# KiCad board Frooastboard Walnut.kicad_pcb (continued)
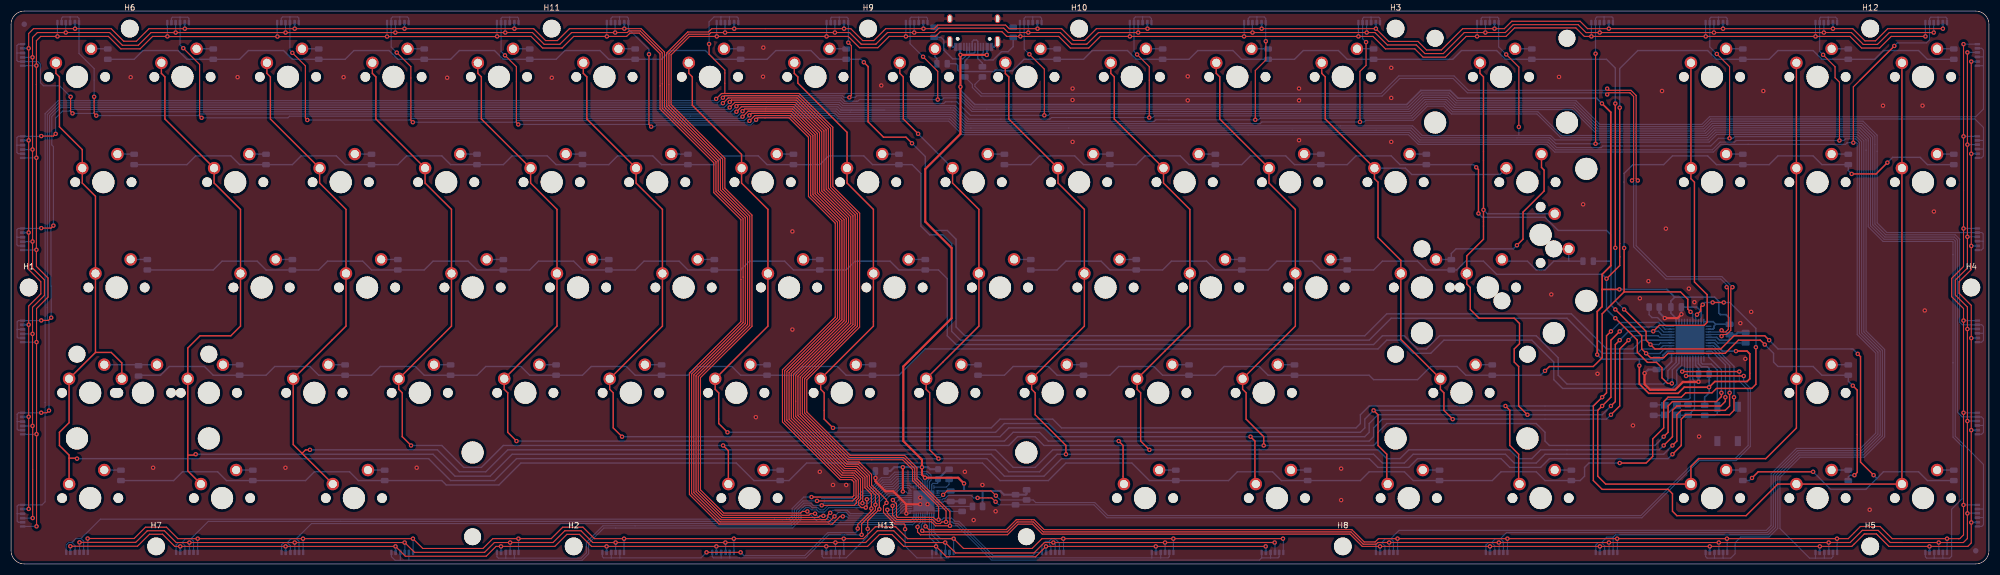
[diagram p0: board, top side]
## Nets (continued)
Net-(D6-Pad2): D6.2 KEY_8.2
Net-(D7-Pad2): D7.2 KEY_I1.2
Net-(D8-Pad2): D8.2 KEY_K1.2
Net-(D9-Pad2): D9.2 KEY_M1.2
Net-(D10-Pad2): D10.2 KEY_1.2
Net-(D11-Pad2): D11.2 KEY_Q1.2
Net-(D12-Pad2): D12.2 KEY_A1.2
Net-(D13-Pad2): D13.2 KEY_\1.2
Net-(D14-Pad2): D14.2 KEY_LGUI1.2
Net-(D15-Pad2): D15.2 KEY_9.2
Net-(D16-Pad2): D16.2 KEY_O1.2
Net-(D17-Pad2): D17.2 KEY_L1.2
Net-(D18-Pad2): D18.2 KEY_,1.2
Net-(D19-Pad2): D19.2 KEY_2.2
Net-(D20-Pad2): D20.2 KEY_W1.2
Net-(D21-Pad2): D21.2 KEY_S1.2
Net-(D22-Pad2): D22.2 KEY_Y1.2
Net-(D23-Pad2): D23.2 KEY_LALT1.2
Net-(D24-Pad2): D24.2 KEY_0.2
Net-(D25-Pad2): D25.2 KEY_P1.2
Net-(D26-Pad2): D26.2 KEY_;1.2
Net-(D27-Pad2): D27.2 KEY_.1.2
Net-(D28-Pad2): D28.2 KEY_3.2
Net-(D29-Pad2): D29.2 KEY_E1.2
Net-(D30-Pad2): D30.2 KEY_D1.2
Net-(D31-Pad2): D31.2 KEY_X1.2
Net-(D32-Pad2): D32.2 KEY_SPACE1.2
Net-(D33-Pad2): D33.2 KEY_-1.2
Net-(D34-Pad2): D34.2 KEY_[1.2
Net-(D35-Pad2): D35.2 KEY_'1.2
Net-(D36-Pad2): D36.2 KEY_/1.2
Net-(D37-Pad2): D37.2 KEY_4.2
Net-(D38-Pad2): D38.2 KEY_R1.2
Net-(D39-Pad2): D39.2 KEY_F1.2
Net-(D40-Pad2): D40.2 KEY_C1.2
Net-(D41-Pad2): D41.2 KEY_RALT1.2
Net-(D42-Pad2): D42.2 KEY_=1.2
Net-(D43-Pad2): D43.2 KEY_]1.2
Net-(D44-Pad2): D44.2 KEY_#1.2 KEY_#2.2
Net-(D45-Pad2): D45.2 KEY_RSHIFT1.2
Net-(D46-Pad2): D46.2 KEY_5.2
Net-(D47-Pad2): D47.2 KEY_T1.2
Net-(D48-Pad2): D48.2 KEY_G1.2
Net-(D49-Pad2): D49.2 KEY_V1.2
Net-(D50-Pad2): D50.2 KEY_FN1.2
Net-(D51-Pad2): D51.2 KEY_BACKSPACE1.2
Net-(D52-Pad2): D52.2 KEY_ENTER1.2 KEY_ENTER2.2
Net-(D53-Pad2): D53.2 KEY_INSERT1.2
Net-(D54-Pad2): D54.2 KEY_DELETE1.2
Net-(D55-Pad2): D55.2 KEY_6.2
Net-(D56-Pad2): D56.2 KEY_Z1.2
Net-(D57-Pad2): D57.2 KEY_H1.2
Net-(D58-Pad2): D58.2 KEY_B1.2
Net-(D59-Pad2): D59.2 KEY_MENU1.2
Net-(D60-Pad2): D60.2 KEY_LEFT1.2
Net-(D61-Pad2): D61.2 KEY_UP1.2
Net-(D62-Pad2): D62.2 KEY_HOME1.2
Net-(D63-Pad2): D63.2 KEY_END1.2
Net-(D64-Pad2): D64.2 KEY_7.2
Net-(D65-Pad2): D65.2 KEY_U1.2
Net-(D66-Pad2): D66.2 KEY_J1.2
Net-(D67-Pad2): D67.2 KEY_N1.2
Net-(D68-Pad2): D68.2 KEY_RCTRL1.2
Net-(D69-Pad2): D69.2 KEY_RIGHT1.2
Net-(D70-Pad2): D70.2 KEY_DOWN1.2
Net-(D71-Pad2): D71.2 KEY_PAGEUP1.2
Net-(D72-Pad2): D72.2 KEY_PAGEDOWN1.2
Net-(R3-Pad1): R3.1 USB1.10
Net-(R4-Pad1): R4.1 USB1.4
Net-(R5-Pad2): R5.2 USB1.5 USB1.7
Net-(R6-Pad2): R6.2 USB1.6 USB1.8

Pads without a net: SW1 3 4; U1 1 12 36 37 38 39 42 45; U2 33 37; USB1 3 9

## Via types
v1: diameter 0.8, hole 0.4, Top to Bottom, 398 vias

## Routing (per net, layer and track width the routed paths; a pad name or vN(x,y) marks a point on that pad's centre or on a via; arc(x,y) is an arc through that point)
+5V: length 411.3
  Top w0.2: v1(161.04,13.1) 161.05,13.11
  Top w0.3: v1(286.45,37.86) 286.45,45.66 287.34,46.55 287.34,49.65 ; 287.34,49.65 287.35,49.66 v1(290.45,49.66) ; 287.34,49.65 287.34,52.39 288.9,53.95 288.9,81.7 v1(287.3,83.3) ; v1(294.05,35.86) 294.05,32.56 295.75,30.86 301.05,30.86 302.15,31.96 v1(306.65,31.96) 307.69,33 313.5,33 314,33.5 314,38 313.5,38.5 v1(311.5,38.5)
  Top w0.381: v1(176.21,92.08) 176.2,92.09 v1(171.45,92.09) v1(171.45,86.3) 171.45,77.79 165.1,71.44 165.1,61.91 169.86,57.15 169.86,44.45 161.13,35.72 161.13,22.22 164.5,18.86 v1(164.5,17.5) 164.5,16.15 v1(165.05,15.6) 171.05,15.6 v1(172.1,14.55) ; v1(161.04,13.1) 161.05,13.11 v1(161.05,17.5)
  Bottom w0.2: U2.32 U2.31 C8.1 ; U2.26 165.05,13.89 v1(165.05,15.6) ; v1(161.04,13.1) 161.58,13.1 161.88,12.8 U2.19
  Bottom w0.3: v1(294.05,35.86) 294.05,37.06 ; 294.05,37.06 287.25,37.06 v1(286.45,37.86) ; 294.05,37.06 C6.1 298.15,37.06 298.35,37.26 298.35,37.76 299.07,38.48 U1.24 ; 307.85,43.36 C7.1 310.35,44.45 309.7,45.1 308.7,45.1 308.4,45.4 308.4,47.5 307.64,48.26 300.45,48.26 ; 307.85,43.36 307.55,43.06 307.55,42.66 307.37,42.48 U1.2 ; 307.85,43.36 307.39,43.82 U1.44 ; 308.53,39.03 309.06,38.5 ; 308.53,39.03 309.06,38.5 ; 308.53,39.03 307.58,39.98 U1.7 ; 309.06,38.5 v1(311.5,38.5) ; 300.45,48.26 299.05,49.66 v1(290.45,49.66) ; 300.45,48.26 299.75,47.56 C5.1 299.75,45.36 300.71,44.4 U1.34 ; v1(171.45,86.3) 171.45,85.69 174.04,83.1 252.05,83.1 254.6,85.65 259.9,85.65 261.31,84.24 286.36,84.24 v1(287.3,83.3) ; U1.14 304.71,36.23 305.28,35.66 306.35,35.66 306.65,35.36 C4.1 v1(306.65,31.96) 306.65,30.96 305.85,30.16 R1.2
  Bottom w0.381: C10.1 158.8,16.8 159.5,17.5 v1(164.5,17.5) 165.6,17.5 165.96,17.14 C9.1 ; v1(176.21,92.08) 176.28,92.14 USB1.11 ; USB1.2 171.38,92.16 v1(171.45,92.09) ; R10.1 183.4,12.7 183.22,12.53 R11.1 179.32,12.53 178.65,13.2 175.45,13.2 ; 172.1,13.2 C8.1 ; 172.1,13.2 175.45,13.2 ; 172.1,13.2 v1(172.1,14.55) ; 175.45,13.2 R9.2
GND: length 96.3
  Top w0.38: 178.36,98.42 USB1.13
  Top w0.381: v1(164.2,10.8) 161.65,10.8 ; 161.65,10.8 159.3,13.15 157.9,13.15 156.1,14.95 v1(156.1,15.55) ; 161.65,10.8 161.65,9.15 v1(161.68,9.12) ; v1(295,34.5) 295,32.5 296,31.5 300.5,31.5 301.92,32.92 304.74,32.92 v1(304.74,32.95) ; v1(301.65,45.16) 300.95,44.46 v1(298.65,44.46)
  Bottom w0.2: v1(161.68,9.12) 162.27,9.12 162.36,9.21 U2.11 163.05,9.6 U2.41 ; U2.41 166.65,9.6 U2.40 ; U2.41 164.85,10.45 165.45,9.85 U2.4 ; U2.41 165.05,11.2 U2.36 168.35,11.2 168.45,11.3 C8.2 ; U2.41 165.1,11.4 166.25,12.55 U2.29 166.25,14.37 166.46,14.57 167.27,14.57 167.4,14.7 C9.2
  Bottom w0.3: Y1.4 298.95,26.97 300.65,28.67 Y1.2 302.75,28.67 C3.2 ; C7.2 310.35,40.66 310.14,40.46 308.54,40.46 308.02,40.98 U1.5 ; C4.2 304.75,35.36 304.21,35.9 U1.15 ; C5.2 304.44,46.46 305.21,45.69 U1.43 ; v1(301.65,45.16) 301.21,44.72 U1.35 ; C2.2 298.55,26.88 ; C6.2 298.45,35.16 299.88,36.59 U1.23 ; 304.01,47.34 v1(304,47.35)
  Bottom w0.38: 298.85,26.97 Y1.4
  Bottom w0.381: R7.2 169.16,17.12 C9.2 ; v1(298.65,44.46) 297.65,45.46 R2.2 ; USB1.1 170.06,93.54 169.51,94.09 USB1.13 ; C8.2 169.72,11.33 R8.2 ; C4.2 304.74,34.35 v1(304.74,32.95) ; v1(156.1,15.55) C10.2 ; C6.2 295.66,35.16 v1(295,34.5) ; C1.1 311.86,41.86 311.46,41.46 C7.2 ; USB1.13 178.15,94.2 177.49,93.54 USB1.12 ; C5.2 v1(301.65,45.16)
  vias: v1(21.6,88.05) v1(25.65,17.4) v1(40.9,88.05) v1(49.55,17.4) v1(60.05,88.05) v1(73.25,17.4) v1(78.75,87.95) v1(97.65,87.95) v1(134.5,26.55) v1(135.8,88.15) v1(135.85,93.4) v1(141.1,60.15) v1(141.1,42.4) v1(146.05,16.67) v1(148.43,14.29) v1(150.81,14.29) v1(157.15,86.55) v1(164.2,12) v1(165.5,10.8) v1(172.24,16.67) v1(173.83,7.94) v1(175.42,14.29) v1(177.8,9.53) v1(191.7,86) v1(191.7,83.93) v1(191.7,76.35) v1(212.5,88.2) v1(212.5,83.85) v1(232.6,86) v1(232.6,83.85) v1(232.6,76.65) v1(240.2,17.25) v1(240.2,11.55) v1(249.25,89.75) v1(249.25,84.3) v1(249.25,76.35) v1(278.15,48.75) v1(279.55,88.1) v1(283.9,65.05) v1(286.5,34.4) v1(292.9,25.05) v1(294.15,48.05) v1(295.7,51.15) v1(298.15,85.55) v1(298.85,60.65) v1(303,49.8) v1(304.85,23.05) v1(312.3,43.55) v1(313.2,37.1) v1(314.25,45.6) v1(316.45,85.55) v1(335.65,9.8) v1(338.05,82.9) v1(345.2,82.9) v1(345.6,45.85) v1(347.25,63.75)
COL0: length 503.1
  Top w0.25: 15.24,38.26 18.1,38.26 20,36.35 KEY_LSHIFT2.1 ; 15.24,38.26 KEY_LSHIFT1.1 10.48,25.56 8.73,23.81 8.73,21.43 10.48,19.69 10.48,19.14 ; 15.24,38.26 KEY_CAPS1.1 15.24,66.52 12.86,68.9 KEY_TAB1.1 12.86,74.94 8.73,79.07 8.73,88.11 8.1,88.74 KEY_ESC1.1 ; v1(163.81,77.81) 161.13,80.49 161.13,88.11 160.5,88.74 KEY_8.1 ; 10.48,19.14 11.82,19.14 v1(11.91,19.05) ; 10.48,19.14 KEY_LCTRL1.1 ; v1(311.15,30.16) 311.15,27.78 310.36,26.99 302.42,26.99 301.62,26.19 301.62,21.43 v1(300.04,19.84) ; KEY_I1.1 170.02,68.9 174.78,64.13 KEY_K1.1 174.78,43.02 KEY_M1.1 165.26,31.59 165.89,30.96 165.89,20.64 v1(167.48,19.05)
  Bottom w0.25: v1(311.15,30.16) 311.15,35.74 307.41,39.48 U1.8 ; KEY_I1.1 v1(163.81,77.81) ; v1(11.91,19.05) 75.41,19.05 79.38,15.08 87.31,15.08 91.28,19.05 176.21,19.05 179.39,15.88 186.53,15.88 189.71,19.05 245.27,19.05 246.86,17.46 252.41,17.46 254,19.05 269.08,19.05 270.67,17.46 276.22,17.46 277.81,19.05 299.24,19.05 v1(300.04,19.84)
COL1: length 479.4
  Top w0.25: KEY_LGUI1.1 31.91,16.83 31.91,19.69 ; v1(310.36,30.96) 310.36,28.58 309.56,27.78 301.62,27.78 300.83,26.99 300.83,22.22 v1(300.04,21.43) ; 31.91,19.69 33.18,19.69 v1(33.34,19.84) ; 31.91,19.69 KEY_\1.1 31.91,39.05 34.13,41.28 39.69,41.28 41.43,43.02 KEY_A1.1 41.43,64.13 36.67,68.9 KEY_Q1.1 27.78,80.49 27.78,88.11 27.15,88.74 KEY_1.1 ; KEY_9.1 179.55,88.74 180.18,88.11 180.18,80.49 KEY_O1.1 189.07,68.9 193.83,64.13 KEY_L1.1 193.83,43.02 KEY_,1.1 184.31,31.59 184.94,30.96 184.94,26.99 190.5,21.43 v1(190.5,19.84)
  Bottom w0.25: U1.9 307.27,38.98 310.36,35.9 v1(310.36,30.96) ; v1(300.04,21.43) 298.45,19.84 277.02,19.84 275.43,18.26 271.46,18.26 269.88,19.84 253.21,19.84 251.62,18.26 247.65,18.26 246.06,19.84 v1(190.5,19.84) 188.91,19.84 185.74,16.67 180.18,16.67 177.01,19.84 90.49,19.84 86.52,15.88 80.17,15.88 76.2,19.84 v1(33.34,19.84)
COL2: length 452.8
  Top w0.25: v1(205.58,20.64) 203.99,22.22 203.99,30.96 203.36,31.59 KEY_.1.1 212.88,43.02 KEY_;1.1 212.88,64.13 208.12,68.9 KEY_P1.1 199.23,80.49 199.23,88.11 198.6,88.74 KEY_0.1 ; v1(298.45,21.43) 300.04,23.02 300.04,27.78 300.83,28.58 308.77,28.58 309.59,29.4 v1(309.59,30.16) ; KEY_2.1 46.2,88.74 46.83,88.11 46.83,80.49 KEY_W1.1 55.72,68.9 60.48,64.13 KEY_S1.1 60.48,43.02 KEY_Y1.1 50.96,21.59 52.55,20 ; v1(53.98,20.64) 53.18,20.64 52.55,20 ; 52.55,20 KEY_LALT1.1
  Bottom w0.25: v1(298.45,21.43) 297.66,20.64 276.22,20.64 274.64,19.05 272.26,19.05 270.67,20.64 252.41,20.64 250.82,19.05 248.44,19.05 246.86,20.64 v1(205.58,20.64) 188.12,20.64 184.94,17.46 180.97,17.46 177.8,20.64 89.69,20.64 85.73,16.67 80.96,16.67 76.99,20.64 v1(53.98,20.64) ; U1.10 307.13,38.48 309.6,36.02 309.6,30.17 v1(309.59,30.16)
COL3: length 429.6
  Top w0.25: v1(128.59,21.43) 129.54,20.48 KEY_SPACE1.1 ; KEY_3.1 65.25,88.74 65.88,88.11 65.88,80.49 KEY_E1.1 74.77,68.9 79.53,64.13 KEY_D1.1 79.53,43.02 KEY_X1.1 70.01,31.59 70.64,30.96 70.64,23.02 v1(72.23,21.43) ; v1(308.87,30.96) 308.87,30.27 307.97,29.37 300.04,29.37 299.24,28.58 299.24,23.81 v1(298.45,23.02) ; KEY_-1.1 217.65,88.74 218.28,88.11 218.28,80.49 KEY_[1.1 227.17,68.9 231.93,64.13 KEY_'1.1 231.93,43.02 KEY_/1.1 222.41,31.59 223.04,30.96 223.04,26.19 226.22,23.02 v1(226.22,21.43)
  Bottom w0.25: U1.11 306.55,37.45 308.87,35.13 v1(308.87,30.96) ; v1(298.45,23.02) 296.86,21.43 277.81,21.43 277.02,22.22 277.02,23.81 275.43,25.4 248.44,25.4 246.86,23.81 246.86,22.22 246.06,21.43 v1(226.22,21.43) 186.53,21.43 184.94,23.02 181.77,23.02 180.18,21.43 88.9,21.43 84.93,17.46 81.76,17.46 77.79,21.43 v1(72.23,21.43)
COL4: length 411.3
  Top w0.25: v1(292.1,40.48) 290.51,38.89 290.51,28.58 v1(288.93,26.99) ; KEY_RALT1.1 200.82,14.61 200.82,21.43 v1(200.02,22.22) ; KEY_=1.1 236.7,88.74 237.33,88.11 237.33,80.49 KEY_]1.1 246.22,69.69 246.86,69.06 246.86,59.05 250.98,54.93 KEY_#1.1 250.98,40.64 KEY_RSHIFT1.1 258.13,31.59 258.76,30.96 258.76,27.78 v1(260.35,26.19) ; KEY_4.1 84.3,88.74 84.93,88.11 84.93,80.49 KEY_R1.1 93.82,68.9 98.58,64.13 KEY_F1.1 98.58,43.02 KEY_C1.1 89.06,31.59 89.69,30.96 89.69,23.81 v1(91.28,22.22)
  Bottom w0.25: U1.29 297.73,40.98 297.43,41.28 292.9,41.28 v1(292.1,40.48) ; v1(288.93,26.99) 288.13,26.19 v1(260.35,26.19) 247.65,26.19 246.06,24.61 246.06,23.02 245.27,22.22 187.32,22.22 185.74,23.81 180.97,23.81 179.39,22.22 v1(91.28,22.22) ; KEY_#2.1 268.89,70.45 252.95,70.45 251.8,71.6 KEY_]1.1
COL5: length 439.3
  Top w0.25: KEY_FN1.1 224.63,14.61 224.63,22.22 v1(223.84,23.02) ; KEY_BACKSPACE1.1 265.27,88.74 265.91,88.11 v1(265.91,64.04) 265.91,58.74 262.89,55.72 KEY_ENTER2.1 262.89,50.64 263.52,50.01 263.52,46.04 265.11,44.45 271.46,44.45 272.41,43.5 272.41,39.85 271.46,38.89 271.46,36.51 272.26,35.72 272.26,28.58 v1(273.84,26.99) ; v1(290.51,40.48) 289.72,39.69 289.72,29.37 v1(288.93,28.58) ; KEY_INSERT1.1 KEY_DELETE1.1 303.37,69.69 304.01,69.06 304.01,51.01 306.3,48.71 306.3,43.7 305.76,43.16 297.65,43.16 v1(296.57,42.08) ; KEY_5.1 103.35,88.74 103.98,88.11 103.98,80.49 KEY_T1.1 112.87,68.9 117.63,64.13 KEY_G1.1 117.63,43.02 KEY_V1.1 108.11,31.59 108.74,30.96 108.74,24.61 v1(110.33,23.02)
  Bottom w0.25: U1.30 298.11,41.48 297.51,42.08 v1(296.57,42.08) 292.11,42.08 v1(290.51,40.48) ; v1(265.91,64.04) 266.61,63.34 KEY_ENTER1.1 ; v1(288.93,28.58) 287.34,26.99 v1(273.84,26.99) 246.86,26.99 245.27,25.4 245.27,23.81 244.47,23.02 v1(223.84,23.02) 188.12,23.02 186.53,24.61 180.18,24.61 178.59,23.02 v1(110.33,23.02)
COL6: length 400.7
  Top w0.25: v1(290.51,42.07) 288.93,40.48 288.93,30.16 v1(287.34,28.58) 286.54,27.78 286.54,15.88 287.97,14.45 KEY_LEFT1.1 303.37,17.62 304.8,19.05 316.89,19.05 322.42,24.58 KEY_UP1.1 KEY_END1.1 KEY_HOME1.1 ; KEY_6.1 122.4,88.74 123.03,88.11 123.03,82.97 131.92,74.08 KEY_Z1.1 131.92,68.9 136.68,64.13 KEY_H1.1 136.68,43.02 KEY_B1.1 127.16,31.59 127.79,30.96 127.79,25.4 v1(129.38,23.81) ; v1(246.06,27.78) 246.86,26.99 246.86,21.43 248.44,19.84 248.44,14.61 KEY_MENU1.1
  Bottom w0.25: v1(287.34,28.58) 286.54,27.78 v1(246.06,27.78) 244.47,26.19 244.47,24.61 243.68,23.81 188.91,23.81 187.32,25.4 179.39,25.4 177.8,23.81 v1(129.38,23.81) ; U1.31 298.41,41.98 297.51,42.88 291.32,42.88 v1(290.51,42.07)
COL7: length 414.7
  Top w0.25: v1(148.43,24.61) 146.84,26.19 146.84,30.96 146.21,31.59 KEY_N1.1 155.73,43.02 KEY_J1.1 155.73,64.13 150.97,68.9 KEY_U1.1 150.97,78.08 147.66,81.39 147.66,81.4 142.08,86.98 142.08,88.11 141.45,88.74 KEY_7.1 ; v1(269.88,28.58) 270.67,27.78 270.67,21.43 272.26,19.84 272.26,14.61 KEY_RCTRL1.1 ; KEY_PAGEUP1.1 KEY_PAGEDOWN1.1 KEY_RIGHT1.1 KEY_DOWN1.1 319.05,14.45 313.33,8.73 300.83,8.73 300.04,9.53 300.04,12.7 299.24,13.49 287.34,13.49 285.75,15.08 285.75,28.58 v1(287.34,30.16) 288.13,30.96 288.13,41.28 v1(288.93,42.07)
  Bottom w0.25: v1(148.43,24.61) 177.01,24.61 178.59,26.19 188.12,26.19 189.71,24.61 242.89,24.61 243.68,25.4 243.68,26.99 245.27,28.58 v1(269.88,28.58) 285.75,28.58 v1(287.34,30.16) ; v1(288.93,42.07) 290.54,43.68 297.51,43.68 298.71,42.48 U1.32
CS1: length 675.5
  Top w0.2: 128.9,85.1 128.3,85.1 127.33,84.13 v1(127.33,84.12) ; 128.9,85.1 128.9,89.35 126.05,92.2 v1(126.05,94.05) ; 128.9,85.1 142.3,85.1 148.4,79 148.4,68.3 153.25,63.45 153.25,54.4 153.24,54.39 153.24,42.84 143.7,33.3 143.7,27.5 151.55,19.65 161.35,19.65 163.6,17.4 163.6,15.4 169.55,9.45 v1(169.55,6.9) 166.95,6.9 166.23,7.62 159.79,7.62 158.25,9.17 v1(158.25,9.8)
  Bottom w0.2: v1(126.05,94.05) 126.05,98.05 126.95,98.95 128.2,98.95 ; 1.1,9.1 1.1,10.45 1.33,10.68 D73.6 5.58,10.68 6.15,11.25 6.15,29.2 6.15,81.45 8.5,83.8 127.01,83.8 v1(127.33,84.12) 128.31,85.1 171.4,85.1 173.85,82.65 252.24,82.65 254.78,85.2 259.72,85.2 261.12,83.79 282.62,83.79 286.91,79.51 305.34,79.51 306.73,80.89 354.81,80.89 356.2,82.29 356.2,90.1 ; 1.1,9.1 1.12,9.08 D73.4 ; 1.1,9.1 1.1,7.75 1.32,7.53 D73.2 ; D85.4 129.73,98.93 129.75,98.95 ; D85.6 131.33,98.72 131.1,98.95 129.75,98.95 ; 356.2,91.75 356.2,92.95 355.88,93.28 D97.2 ; 356.2,91.75 356.2,90.1 ; 356.2,91.75 356.18,91.72 D97.4 ; 356.2,90.1 356.18,90.12 D97.6 ; 227.45,1.1 225.85,1.1 ; 227.45,1.1 228.8,1.1 229.01,1.31 D109.2 ; 227.45,1.1 227.46,1.11 D109.4 ; 225.85,1.1 225.86,1.11 D109.6 ; 225.85,1.1 225.45,0.7 177.05,0.7 170.85,6.9 v1(169.55,6.9) ; D85.2 128.18,98.93 128.2,98.95 ; 128.2,98.95 129.75,98.95 ; U2.15 160.87,11.2 159.47,9.8 v1(158.25,9.8)
CS2: length 626.9
  Top w0.2: v1(6.85,27.75) 6.45,27.35 v1(5.45,27.35) ; v1(151.2,94.3) 151.75,93.75 151.75,84.75 v1(151.4,84.4) ; v1(159.19,10.51) 159.19,8.79 159.96,8.02 166.39,8.02 167.12,7.3 167.8,7.3 168.1,7.6 168.84,7.6 v1(168.84,7.61) 168.84,9.59 163.2,15.23 163.2,17.23 161.18,19.25 151.38,19.25 143.3,27.33 143.3,33.47 152.84,43 152.84,62.34 152.85,62.35 152.85,63.28 148,68.13 148,78.83 142.13,84.7 128.9,84.7 v1(128.55,84.35)
  Bottom w0.2: 149.55,98.9 149.57,98.88 D86.4 ; 149.55,98.9 150.95,98.9 151.17,98.67 D86.6 151.2,97.9 v1(151.2,94.3) ; 149.55,98.9 148.2,98.9 148.02,98.72 D86.2 ; D110.6 206.01,1.11 206,1.1 ; 356.2,75.05 356.2,76.6 ; 356.2,75.05 356.2,73.8 355.86,73.46 D98.6 ; 356.2,75.05 356.19,75.06 D98.4 ; 356.2,76.6 356.19,76.61 D98.2 ; 356.2,76.6 356.2,78.95 354.65,80.5 306.9,80.5 305.51,79.11 286.74,79.11 282.45,83.39 260.96,83.39 259.55,84.8 254.95,84.8 252.4,82.25 176.2,82.25 173.68,82.25 171.23,84.7 152.75,84.7 152.45,84.4 v1(151.4,84.4) 150.45,84.4 150.15,84.7 128.9,84.7 v1(128.55,84.35) 127.6,83.4 8.67,83.4 6.55,81.28 6.55,46.4 6.55,44.25 6.85,43.95 v1(6.85,27.75) ; v1(168.84,7.61) 169.94,7.61 170.24,7.31 171.01,7.31 177.22,1.1 206,1.1 ; 206,1.1 207.6,1.1 ; 1.1,25.75 1.1,24.4 1.3,24.2 D74.2 ; 1.1,25.75 1.1,27.1 1.35,27.35 D74.6 v1(5.45,27.35) ; 1.1,25.75 D74.4 ; 207.6,1.1 208.95,1.1 209.16,1.31 D110.2 ; 207.6,1.1 207.61,1.11 D110.4 ; U2.16 160.28,11.6 v1(159.19,10.51)
CS3: length 608.1
  Top w0.2: v1(5.45,44.05) 6.75,44.05 v1(7.25,44.55) ; v1(128.55,83.35) 129.5,84.3 141.97,84.3 147.6,78.67 147.6,67.97 152.44,63.13 152.44,43.17 142.9,33.63 142.9,27.17 151.22,18.85 155.45,18.85 161.02,18.85 162.8,17.07 162.8,15.07 167.5,10.37 v1(167.5,8) 167,8 166.57,8.42 160.13,8.42 159.9,8.65 159.9,10.9 159.25,11.55 v1(159.25,11.56) ; v1(167.35,84) 167.35,89.1 v1(164.7,91.75)
  Bottom w0.2: 187.53,4.08 187.53,3.54 187.77,3.3 D111.4 ; 187.53,4.08 187.53,4.16 187.94,4.57 188.52,4.57 189.32,3.77 D111.2 ; 187.53,4.08 186.81,4.08 186.17,3.43 D111.6 185.09,2.09 184.5,1.5 177.38,1.5 171.17,7.71 170.44,7.71 169.84,8.31 168.41,8.31 168.1,8 v1(167.5,8) ; D87.6 165.5,98.7 165.3,98.9 163.9,98.9 ; U2.17 159.69,12 v1(159.25,11.56) ; D75.2 1.28,40.87 1.1,41.05 1.1,42.45 ; 163.9,98.9 162.55,98.9 162.35,98.7 D87.2 162.35,94.1 v1(164.7,91.75) ; 163.9,98.9 D87.4 ; 356.15,58.35 356.11,58.39 D99.4 ; 356.15,58.35 356.15,57.1 355.84,56.79 D99.6 ; 356.15,58.35 356.15,59.7 355.9,59.95 355.11,59.95 D99.2 338.76,59.94 337,61.7 337,74.65 337,74.65 337,77.55 334.45,80.1 332.85,80.1 307.06,80.1 305.67,78.71 286.58,78.71 282.29,82.99 260.79,82.99 259.39,84.4 255.11,84.4 252.57,81.85 173.52,81.85 171.07,84.3 168.45,84.3 168.15,84 v1(167.35,84) 164.15,84 153.2,84 152.9,83.7 152.65,83.7 150.55,83.7 149.95,84.3 129.5,84.3 v1(128.55,83.35) 128.2,83 8.83,83 6.95,81.12 6.95,61.7 6.95,60.91 7.2,60.66 7.2,50.3 7.25,50.25 v1(7.25,44.55) ; v1(5.45,44.05) 5.42,44.02 D75.6 1.32,44.02 1.1,43.8 1.1,42.45 ; 1.1,42.45 1.13,42.42 D75.4
CS4: length 578.1
  Top w0.2: v1(183.9,92.2) 186.6,89.5 v1(186.6,81.15) ; v1(7.65,61.2) 7.2,60.75 v1(5.45,60.75) ; v1(161.45,6.3) 161.45,7.05 161.27,7.22 159.62,7.22 157.55,9.3 157.55,10.5 v1(158.1,11.05) 158.1,11.58 155.4,14.28 155.4,16.18 153.36,18.22 153.13,18.45 151.05,18.45 142.5,27 142.5,33.8 152.04,43.34 152.04,62.96 147.2,67.8 147.2,78.5 141.8,83.9 130.12,83.9 v1(129.78,83.57)
  Bottom w0.2: D112.4 167.92,1.12 167.95,1.1 ; 166.35,1.1 163.6,1.1 161.45,3.25 v1(161.45,6.3) ; 166.35,1.1 167.95,1.1 ; 166.35,1.1 166.32,1.12 D112.6 ; v1(5.45,60.75) 5.39,60.69 D76.6 1.29,60.69 1.05,60.45 1.05,59.15 ; 167.95,1.1 169.25,1.1 169.47,1.33 D112.2 ; D100.4 356.17,41.72 356.2,41.75 ; 356.2,41.75 356.2,40.45 355.87,40.12 D100.6 ; 356.2,41.75 356.2,42.95 355.88,43.27 D100.2 352.37,43.27 351.9,43.73 351.9,58.75 351.11,59.54 338.56,59.54 336.6,61.5 336.6,75.85 336.6,77.38 334.28,79.7 332.95,79.7 307.23,79.7 305.84,78.31 286.41,78.31 282.12,82.59 260.63,82.59 259.22,84 255.28,84 252.73,81.45 187.6,81.45 187.3,81.15 v1(186.6,81.15) 173.23,81.15 170.78,83.6 169.9,83.6 169.9,83.6 168.74,83.6 168.44,83.3 150.38,83.3 149.78,83.9 130.1,83.9 129.78,83.58 v1(129.78,83.57) 128.82,82.61 9,82.61 7.35,80.95 7.35,75.8 7.65,75.5 7.65,62.75 7.65,62.75 v1(7.65,61.2) ; 1.05,59.15 1.11,59.09 D76.4 ; 1.05,59.15 1.05,57.75 1.26,57.54 2.09,57.54 ; 184.5,98.95 185.85,98.95 186.1,98.7 D88.6 ; 184.5,98.95 183.2,98.95 182.95,98.7 D88.2 182.97,97.9 182.97,93.13 v1(183.9,92.2) ; 184.5,98.95 D88.4 ; U2.18 158.75,12.4 158.1,11.75 v1(158.1,11.05)
CS5: length 576.4
  Top w0.2: v1(205.55,80.75) 205.55,89.96 v1(203.35,92.15) ; v1(129.78,82.57) 130.71,83.5 141.64,83.5 146.8,78.34 146.8,67.64 151.64,62.8 151.64,43.5 142.1,33.96 142.1,26.84 150.89,18.05 152.96,18.05 153.68,17.33 153.68,17.33 155,16.02 155,14.12 156.8,12.32 v1(156.8,9.9) 154.7,7.8 v1(154.7,6.35) ; v1(5.45,77.4) 7.65,77.4 v1(8.05,77.8)
  Bottom w0.2: 149.65,1.1 150.8,1.1 154.7,5 v1(154.7,6.35) ; 149.65,1.1 148.1,1.1 ; 149.65,1.1 149.63,1.12 D113.2 ; D89.4 204.34,98.94 204.35,98.95 ; D113.6 146.48,1.32 146.7,1.1 148.1,1.1 ; 148.1,1.1 148.08,1.12 D113.4 ; 204.35,98.95 205.65,98.95 205.94,98.66 D89.6 ; 204.35,98.95 203.05,98.95 202.79,98.69 D89.2 202.79,92.71 v1(203.35,92.15) ; 1.05,75.75 1.06,75.76 D77.4 ; 1.05,75.75 1.05,77.1 1.31,77.36 D77.6 5.41,77.36 v1(5.45,77.4) ; 1.05,75.75 1.05,74.45 1.29,74.21 D77.2 ; v1(156.8,9.9) 156.8,11.15 158.45,12.8 159.75,12.8 160.75,13.8 162.05,13.8 162.36,13.49 U2.20 ; D101.4 356.2,25.05 ; 356.2,25.05 356.2,26.25 355.85,26.6 D101.2 352.36,26.6 351.5,27.46 351.5,58.58 350.95,59.14 338.4,59.14 336.2,61.34 336.2,76.89 336.2,77.22 334.12,79.3 307.39,79.3 306,77.91 286.25,77.91 281.96,82.19 260.46,82.19 259.06,83.6 255.44,83.6 252.9,81.05 206.45,81.05 206.15,80.75 v1(205.55,80.75) 190.55,80.75 190.55,80.75 187.89,80.75 187.59,80.45 178.75,80.45 178.75,80.45 172.94,80.45 170.49,82.9 150.22,82.9 149.62,83.5 136.4,83.5 130.71,83.5 v1(129.78,82.57) 129.41,82.2 10.8,82.2 10.51,81.91 9.29,81.91 8.05,80.67 v1(8.05,77.8) ; 356.2,25.05 356.2,23.8 355.85,23.45 D101.6
CS6: length 612.4
  Top w0.2: v1(11.1,81.5) 10.75,81.85 v1(10.75,84.5) ; v1(153.6,5.27) 153.6,7.27 156.1,9.77 156.1,10.7 v1(156.1,10.7) 156.1,12.45 154.6,13.95 154.6,15.85 153.03,17.42 152.8,17.65 150.72,17.65 141.7,26.67 141.7,34.13 151.24,43.67 151.24,62.63 146.4,67.47 146.4,78.17 141.47,83.1 132.25,83.1 131.3,83.1 v1(131,82.8) ; v1(224.7,80.35) 224.7,89.25 226.6,91.15 v1(226.6,94.55)
  Bottom w0.2: v1(10.75,84.5) 8.75,86.5 5.85,86.5 5.3,87.05 5.3,90.41 4.84,90.88 D78.2 1.27,90.88 1.05,91.1 1.05,92.4 ; 128.25,1.1 129.8,1.1 ; 128.25,1.1 126.85,1.1 126.64,1.31 D114.6 ; 128.25,1.1 128.24,1.11 D114.4 ; 129.8,1.1 143.5,1.1 147.67,5.27 v1(153.6,5.27) ; 129.8,1.1 129.79,1.11 D114.2 ; 1.05,92.4 1.05,93.75 1.32,94.03 D78.6 ; 1.05,92.4 1.07,92.42 D78.4 ; D102.4 356.18,8.38 356.2,8.4 ; D90.4 224.98,98.93 225,98.95 ; v1(11.1,81.5) 14.79,81.5 15.09,81.8 15.5,81.8 130,81.8 v1(131,82.8) 131.3,83.1 149.45,83.1 150.05,82.5 169.68,82.5 170.33,82.5 172.77,80.05 173.75,80.05 173.75,80.05 206.44,80.05 206.74,80.35 209.1,80.35 209.1,80.35 v1(224.7,80.35) 225.3,80.35 225.6,80.65 253.06,80.65 255.61,83.2 258.89,83.2 260.29,81.8 275.73,81.8 280.02,77.51 306.17,77.51 307.56,78.9 333.95,78.9 335.8,77.05 335.8,70.15 335.8,61.17 338.23,58.74 350.78,58.74 351.1,58.42 351.1,23.1 356.2,18 356.2,9.95 ; D102.6 355.88,6.78 356.2,7.1 356.2,8.4 ; D102.2 356.18,9.93 356.2,9.95 ; v1(156.1,10.7) 156.1,11.02 158.28,13.2 159.58,13.2 160.58,14.2 162.22,14.2 162.53,13.89 U2.21 ; 356.2,9.95 356.2,8.4 ; 225,98.95 223.7,98.95 223.43,98.68 D90.2 ; 225,98.95 226.3,98.95 226.58,98.67 D90.6 226.58,94.57 v1(226.6,94.55)
CS7: length 647.8
  Top w0.2: v1(15.38,81.1) 15,81.49 v1(15,84.5) ; v1(131,81.8) 131.9,82.7 141.31,82.7 146,78.01 146,67.31 150.84,62.47 150.84,43.83 141.3,34.29 141.3,26.51 150.56,17.25 152.63,17.25 154.2,15.68 154.2,13.79 155.37,12.62 v1(155.37,10.02) 155.37,9.62 152.9,7.15 v1(152.9,6.4) ; v1(131.75,2.1) v1(125.6,2.1) ; v1(243.6,79.95) 243.6,89.1 244.7,90.2 v1(244.7,94.4)
  Bottom w0.2: 10.65,98.95 9.35,98.95 9.12,98.72 D79.2 ; 10.65,98.95 12,98.95 12.27,98.68 D79.6 12.27,92.33 15,89.6 v1(15,84.5) ; 10.65,98.95 10.67,98.93 D79.4 ; D103.4 347.31,1.06 347.3,1.05 ; D115.4 108.39,1.11 108.4,1.1 ; 109.95,1.1 109.94,1.11 D115.2 ; 109.95,1.1 108.4,1.1 ; 109.95,1.1 124.6,1.1 v1(125.6,2.1) ; D115.6 106.79,1.31 107,1.1 108.4,1.1 ; 149.89,82.1 151.8,82.1 151.8,82.1 170.16,82.1 172.61,79.65 219.9,79.65 225.59,79.65 225.89,79.95 v1(243.6,79.95) 243.6,79.95 244.35,79.95 244.65,80.25 253.23,80.25 255.78,82.8 258.72,82.8 260.13,81.4 275.56,81.4 279.85,77.11 306.33,77.11 307.72,78.5 333.78,78.5 335.4,76.88 335.4,61.34 335.4,61.01 338.07,58.34 350.62,58.34 350.7,58.25 350.7,55.95 350.7,55.95 350.7,36.4 350.7,36.4 350.7,36.4 350.7,22.93 352.3,21.33 352.3,11.75 350.45,9.9 350.45,1.4 350.1,1.05 348.9,1.05 ; 149.89,82.1 157.8,82.1 ; 149.89,82.1 149.29,82.7 136.4,82.7 131.9,82.7 v1(131,81.8) 130.6,81.4 124.3,81.4 34.11,81.4 33.81,81.1 v1(15.38,81.1) ; 245.6,98.9 244.3,98.9 244.07,98.67 D91.2 244.07,95.03 v1(244.7,94.4) ; 245.6,98.9 247,98.9 247.22,98.68 D91.6 ; 245.6,98.9 245.62,98.88 D91.4 ; v1(155.37,10.02) 155.37,10.96 157.7,13.29 157.7,13.3 158,13.6 159.42,13.6 160.42,14.6 163.35,14.6 163.45,14.5 U2.22 ; D103.6 345.71,1.29 345.95,1.05 347.3,1.05 ; v1(131.75,2.1) 132.35,1.5 143.33,1.5 147.51,5.67 152.52,5.67 152.9,6.05 v1(152.9,6.4) ; 347.3,1.05 348.9,1.05 ; 348.9,1.05 348.86,1.09 D103.2
CS8: length 641.5
  Top w0.2: v1(153.75,11) 153.8,11.05 153.8,15.52 152.47,16.85 150.39,16.85 140.9,26.34 140.9,34.46 150.44,44 150.44,62.3 145.6,67.14 145.6,77.84 141.14,82.3 132.49,82.3 v1(132.09,81.91) ; v1(34.4,80.7) 34.05,81.05 34.05,90.35 v1(31.1,93.3) ; v1(272.3,79.05) 272.3,89.88 v1(270.02,92.17)
  Bottom w0.2: D116.6 87.74,1.31 88,1.05 89.35,1.05 ; v1(34.4,80.7) 34.4,80.7 50,80.7 50.3,81 122.7,81 125,81 131.19,81 v1(132.09,81.91) 132.49,82.3 149.12,82.3 149.72,81.7 151.55,81.7 151.55,81.7 151.55,81.7 170,81.7 172.45,79.25 180.6,79.25 180.6,79.25 240.1,79.25 253.1,79.25 254.85,77.5 271.75,77.5 271.75,77.5 272.3,77.5 ; D92.2 265.5,98.7 265.7,98.9 267.05,98.9 ; 90.9,1.05 102.95,1.05 103.9,2 103.9,3.92 106.89,6.9 112.7,6.9 112.7,6.9 140.96,6.9 142.25,8.19 142.25,9.5 143.35,10.6 144.27,10.6 144.67,10.2 145.67,10.2 146.07,9.8 146.73,9.8 147.53,10.6 152.85,10.6 153.25,11 v1(153.75,11) 154.85,11 156.47,12.63 156.47,12.64 157.83,14 159.25,14 160.25,15 163.52,15 163.85,14.67 U2.23 ; 90.9,1.05 89.35,1.05 ; 90.9,1.05 90.89,1.06 D116.2 ; v1(270.02,92.17) 268.65,93.53 D92.6 268.65,98.7 268.45,98.9 267.05,98.9 ; 272.3,77.5 278.05,77.5 278.84,76.71 306.5,76.71 307.89,78.1 333.61,78.1 335,76.71 335,74.85 335,42.15 338.35,38.8 338.35,23 334.65,19.3 323.1,19.3 319.45,15.65 319.45,6.4 324.8,1.05 325.85,1.05 ; 272.3,77.5 v1(272.3,79.05) ; v1(31.1,93.3) 30.51,93.89 D80.4 30.51,98.89 30.5,98.9 ; 30.5,98.9 31.9,98.9 32.11,98.69 D80.6 ; 30.5,98.9 29.15,98.9 28.96,98.71 D80.2 ; D104.6 325.87,1.07 325.85,1.05 ; 327.5,1.05 328.75,1.05 329.02,1.32 D104.2 ; 327.5,1.05 327.47,1.08 D104.4 ; 327.5,1.05 325.85,1.05 ; 89.35,1.05 89.34,1.06 D116.4 ; 267.05,98.9 D92.4
CS9: length 650.2
  Top w0.2: v1(50.8,92.45) 53.15,90.1 53.15,80.65 v1(53.5,80.3) ; v1(286.15,92.3) 286.15,76 ; v1(132.1,80.9) 133.1,81.9 140.98,81.9 145.2,77.68 145.2,66.98 150.04,62.14 150.04,44.16 140.5,34.62 140.5,26.18 150.23,16.45 152.3,16.45 153.4,15.35 153.4,11.7 153.05,11.35 153.05,10.71 153.56,10.2 v1(154.35,10.2) 154.55,10.4 v1(154.55,11.7)
  Bottom w0.2: D105.6 306.02,1.33 306.3,1.05 307.65,1.05 ; v1(53.5,80.3) 53.5,80.3 71.96,80.3 72.26,80.6 122.53,80.6 122.54,80.6 131.8,80.6 v1(132.1,80.9) 133.1,81.9 148.96,81.9 149.56,81.3 169.83,81.3 172.28,78.85 173.35,78.85 173.35,78.85 191,78.85 219.05,78.85 252.9,78.85 254.65,77.1 271.95,77.1 271.95,77.1 277.88,77.1 278.97,76.01 v1(286.15,76.01) 286.81,76.01 287.11,76.31 306.67,76.31 308.06,77.7 332.8,77.7 333.45,77.7 334.6,76.55 334.6,41.98 337.95,38.63 337.95,23.17 334.48,19.7 322.93,19.7 319.05,15.82 319.05,6.45 317.47,4.87 312.37,4.87 311.35,3.85 311.35,1.85 310.55,1.05 309.2,1.05 ; D105.2 309.18,1.08 309.2,1.05 ; D93.6 289.3,97.94 289.3,98.75 289.1,98.95 287.7,98.95 ; v1(286.15,92.3) 286.14,92.31 D93.2 286.14,98.69 286.4,98.95 287.7,98.95 ; v1(50.8,92.45) 50.36,92.89 D81.4 50.36,98.94 50.35,98.95 ; U2.24 164.25,14.83 163.68,15.4 160.09,15.4 159.09,14.4 157.67,14.4 154.97,11.7 v1(154.55,11.7) ; 309.2,1.05 307.65,1.05 ; 307.65,1.05 307.62,1.08 307.62,2.09 ; D81.6 51.96,98.74 51.75,98.95 50.35,98.95 ; D93.4 287.69,98.94 287.7,98.95 ; 50.35,98.95 49.05,98.95 48.81,98.71 D81.2 ; 71.85,0.65 103.12,0.65 104.3,1.83 104.3,3.75 107.05,6.5 109.2,6.5 109.2,6.5 141.13,6.5 142.65,8.02 142.65,9.34 143.51,10.2 144.1,10.2 144.5,9.8 145.5,9.8 145.9,9.4 146.9,9.4 147.7,10.2 v1(154.35,10.2) ; 71.85,0.65 71.84,0.66 D117.2 ; 71.85,0.65 70.3,0.65 ; D117.4 70.29,0.66 70.3,0.65 ; 70.3,0.65 69.35,0.65 68.69,1.31 D117.6
